# Altium PCB Audio-Beamformer_V1.0.PcbDoc (part 2 of 11) (continued)
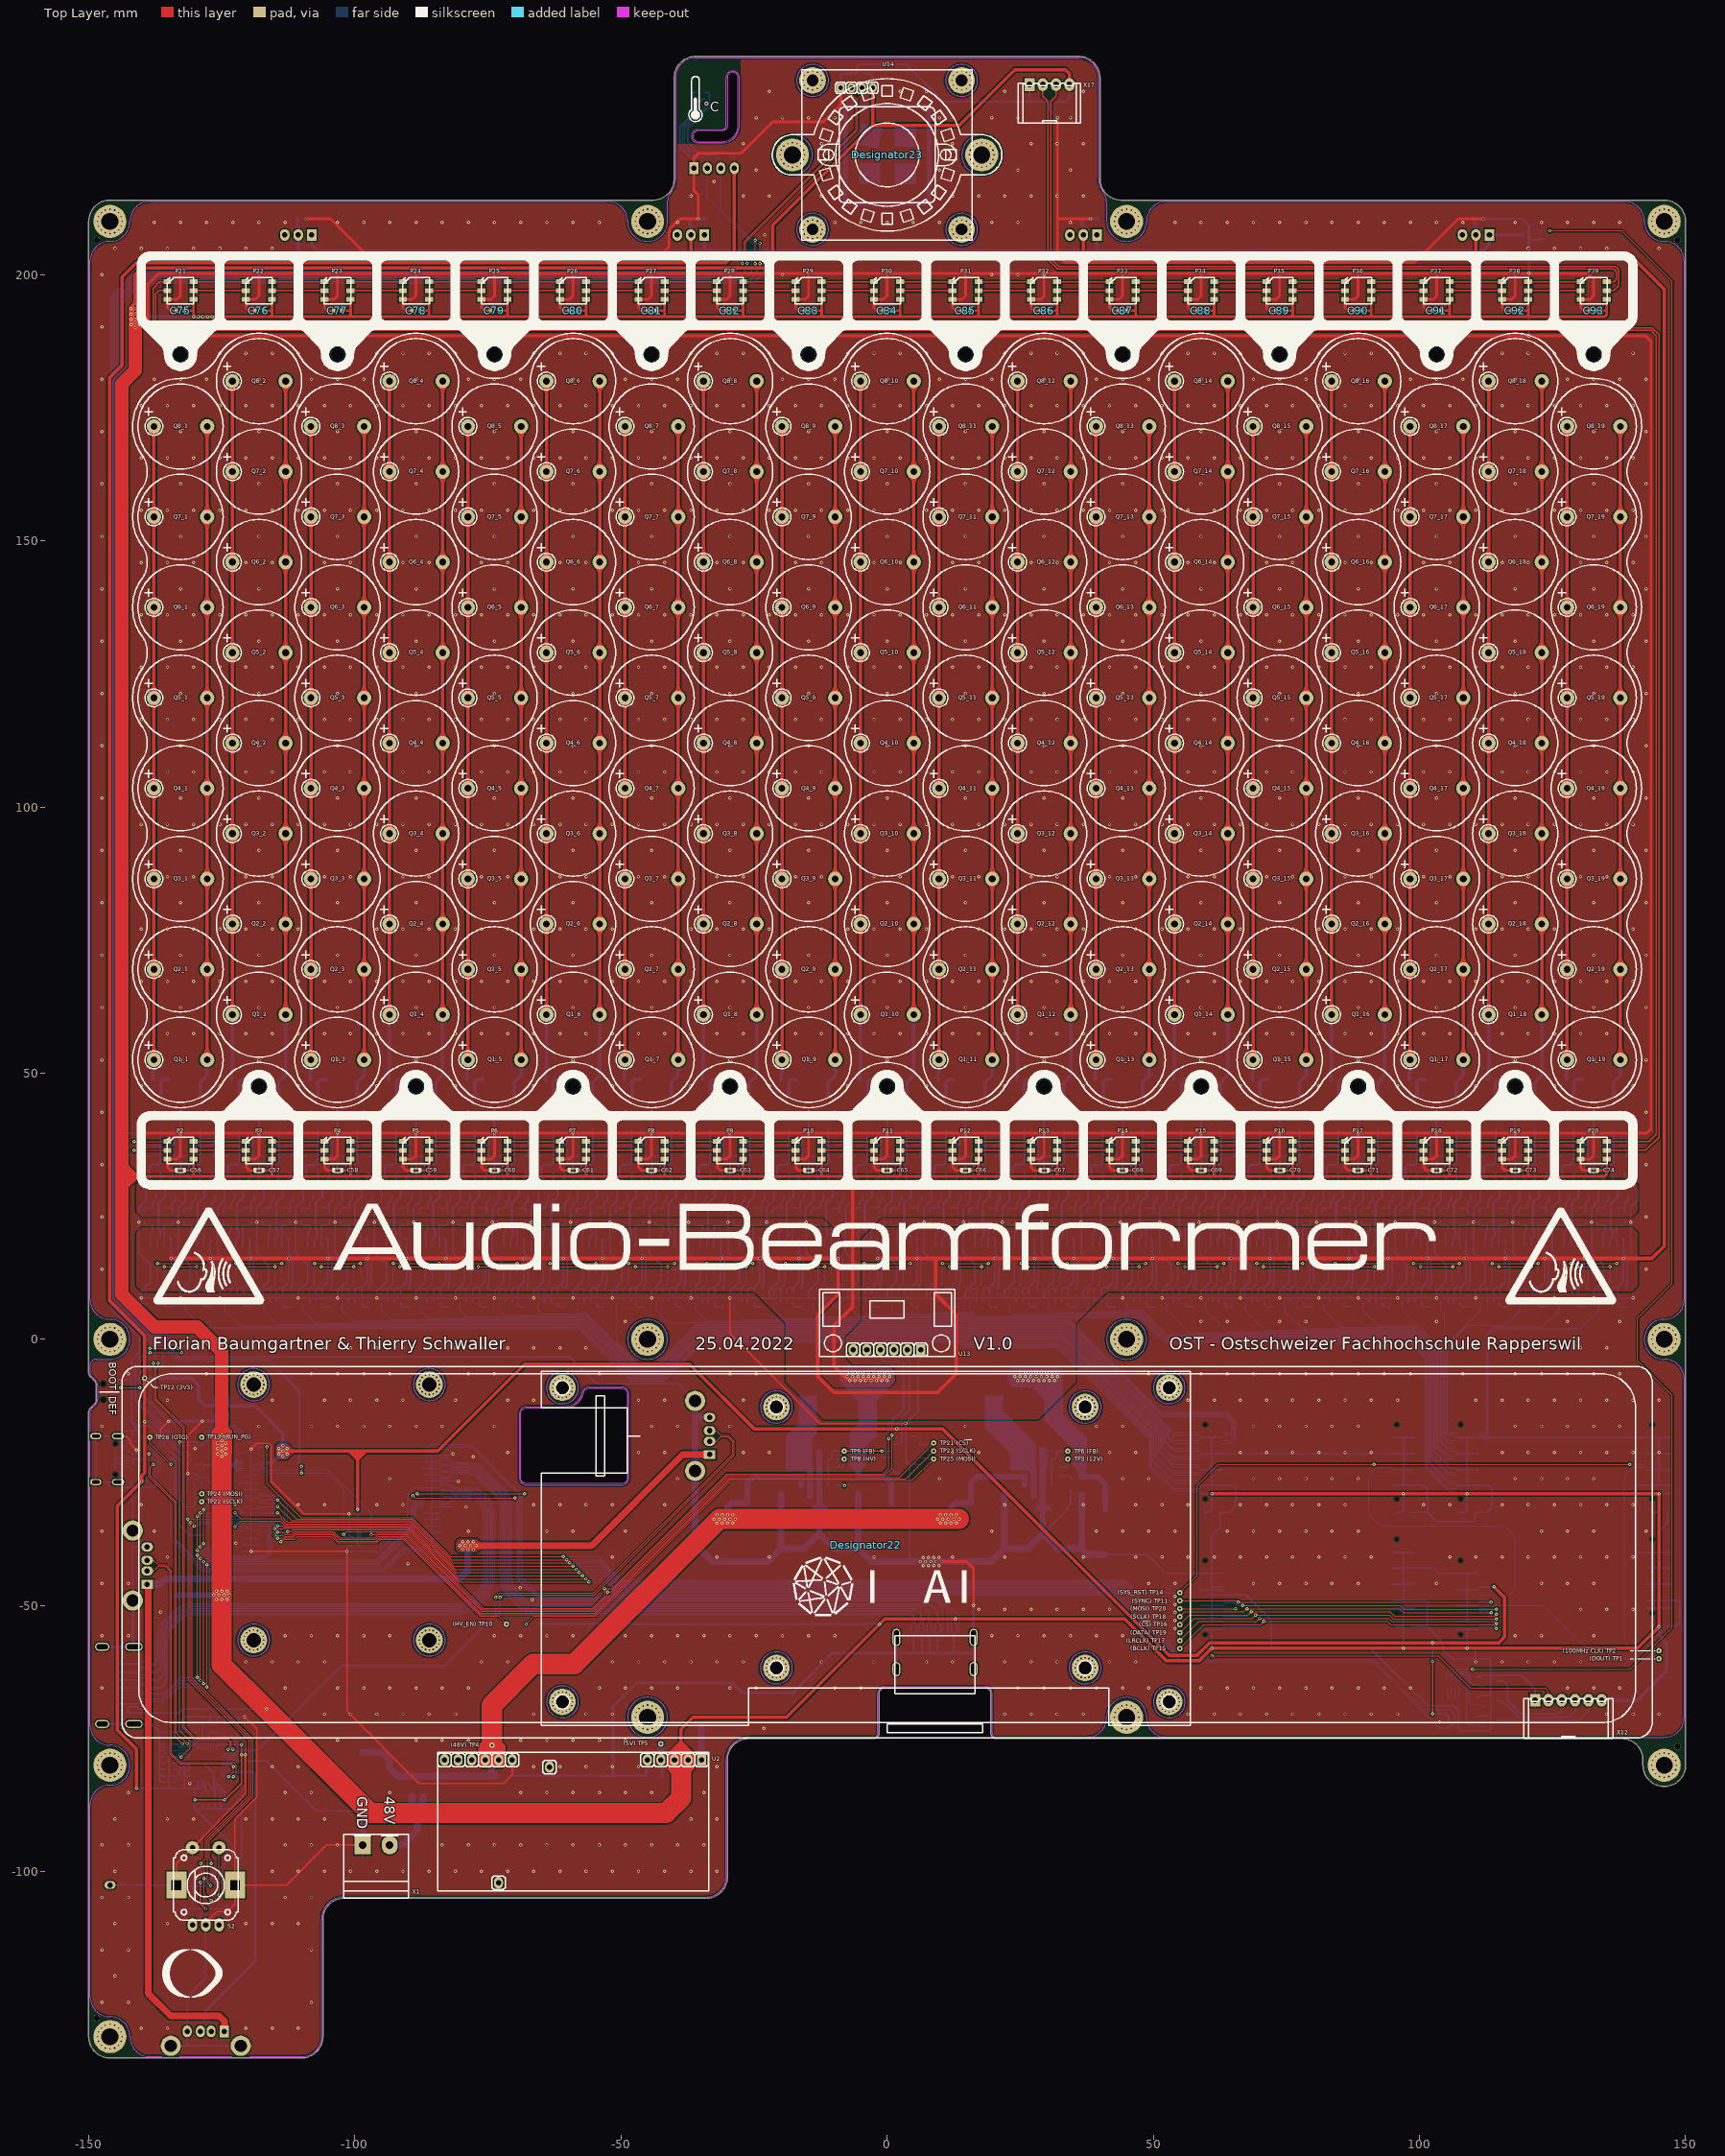
[diagram p0: Top Layer view]
## Components (designator, comment, footprint, x,y, rotation, side; value= is the part's Value field where it differs from the comment) (continued)
Q3_10 "MA40A16" "THT Transducer (MA40A16) (5mm Offset)" 0,95 r0 top (schematic designator Q3)
Q3_11 "MA40A16" "THT Transducer (MA40A16) (5mm Offset)" 14.75,86.5 r0 top (schematic designator Q3)
Q3_12 "MA40A16" "THT Transducer (MA40A16) (5mm Offset)" 29.5,95 r0 top (schematic designator Q3)
Q3_13 "MA40A16" "THT Transducer (MA40A16) (5mm Offset)" 44.25,86.5 r0 top (schematic designator Q3)
Q3_14 "MA40A16" "THT Transducer (MA40A16) (5mm Offset)" 59,95 r0 top (schematic designator Q3)
Q3_15 "MA40A16" "THT Transducer (MA40A16) (5mm Offset)" 73.75,86.5 r0 top (schematic designator Q3)
Q3_16 "MA40A16" "THT Transducer (MA40A16) (5mm Offset)" 88.5,95 r0 top (schematic designator Q3)
Q3_17 "MA40A16" "THT Transducer (MA40A16) (5mm Offset)" 103.25,86.5 r0 top (schematic designator Q3)
Q3_18 "MA40A16" "THT Transducer (MA40A16) (5mm Offset)" 118,95 r0 top (schematic designator Q3)
Q3_19 "MA40A16" "THT Transducer (MA40A16) (5mm Offset)" 132.75,86.5 r0 top (schematic designator Q3)
Q4_1 "MA40A16" "THT Transducer (MA40A16) (5mm Offset)" -132.75,103.5 r0 top (schematic designator Q4)
Q4_2 "MA40A16" "THT Transducer (MA40A16) (5mm Offset)" -118,112 r0 top (schematic designator Q4)
Q4_3 "MA40A16" "THT Transducer (MA40A16) (5mm Offset)" -103.25,103.5 r0 top (schematic designator Q4)
Q4_4 "MA40A16" "THT Transducer (MA40A16) (5mm Offset)" -88.5,112 r0 top (schematic designator Q4)
Q4_5 "MA40A16" "THT Transducer (MA40A16) (5mm Offset)" -73.75,103.5 r0 top (schematic designator Q4)
Q4_6 "MA40A16" "THT Transducer (MA40A16) (5mm Offset)" -59,112 r0 top (schematic designator Q4)
Q4_7 "MA40A16" "THT Transducer (MA40A16) (5mm Offset)" -44.25,103.5 r0 top (schematic designator Q4)
Q4_8 "MA40A16" "THT Transducer (MA40A16) (5mm Offset)" -29.5,112 r0 top (schematic designator Q4)
Q4_9 "MA40A16" "THT Transducer (MA40A16) (5mm Offset)" -14.75,103.5 r0 top (schematic designator Q4)
Q4_10 "MA40A16" "THT Transducer (MA40A16) (5mm Offset)" 0,112 r0 top (schematic designator Q4)
Q4_11 "MA40A16" "THT Transducer (MA40A16) (5mm Offset)" 14.75,103.5 r0 top (schematic designator Q4)
Q4_12 "MA40A16" "THT Transducer (MA40A16) (5mm Offset)" 29.5,112 r0 top (schematic designator Q4)
Q4_13 "MA40A16" "THT Transducer (MA40A16) (5mm Offset)" 44.25,103.5 r0 top (schematic designator Q4)
Q4_14 "MA40A16" "THT Transducer (MA40A16) (5mm Offset)" 59,112 r0 top (schematic designator Q4)
Q4_15 "MA40A16" "THT Transducer (MA40A16) (5mm Offset)" 73.75,103.5 r0 top (schematic designator Q4)
Q4_16 "MA40A16" "THT Transducer (MA40A16) (5mm Offset)" 88.5,112 r0 top (schematic designator Q4)
Q4_17 "MA40A16" "THT Transducer (MA40A16) (5mm Offset)" 103.25,103.5 r0 top (schematic designator Q4)
Q4_18 "MA40A16" "THT Transducer (MA40A16) (5mm Offset)" 118,112 r0 top (schematic designator Q4)
Q4_19 "MA40A16" "THT Transducer (MA40A16) (5mm Offset)" 132.75,103.5 r0 top (schematic designator Q4)
Q5_1 "MA40A16" "THT Transducer (MA40A16) (5mm Offset)" -132.75,120.5 r0 top (schematic designator Q5)
Q5_2 "MA40A16" "THT Transducer (MA40A16) (5mm Offset)" -118,129 r0 top (schematic designator Q5)
Q5_3 "MA40A16" "THT Transducer (MA40A16) (5mm Offset)" -103.25,120.5 r0 top (schematic designator Q5)
Q5_4 "MA40A16" "THT Transducer (MA40A16) (5mm Offset)" -88.5,129 r0 top (schematic designator Q5)
Q5_5 "MA40A16" "THT Transducer (MA40A16) (5mm Offset)" -73.75,120.5 r0 top (schematic designator Q5)
Q5_6 "MA40A16" "THT Transducer (MA40A16) (5mm Offset)" -59,129 r0 top (schematic designator Q5)
Q5_7 "MA40A16" "THT Transducer (MA40A16) (5mm Offset)" -44.25,120.5 r0 top (schematic designator Q5)
Q5_8 "MA40A16" "THT Transducer (MA40A16) (5mm Offset)" -29.5,129 r0 top (schematic designator Q5)
Q5_9 "MA40A16" "THT Transducer (MA40A16) (5mm Offset)" -14.75,120.5 r0 top (schematic designator Q5)
Q5_10 "MA40A16" "THT Transducer (MA40A16) (5mm Offset)" 0,129 r0 top (schematic designator Q5)
Q5_11 "MA40A16" "THT Transducer (MA40A16) (5mm Offset)" 14.75,120.5 r0 top (schematic designator Q5)
Q5_12 "MA40A16" "THT Transducer (MA40A16) (5mm Offset)" 29.5,129 r0 top (schematic designator Q5)
Q5_13 "MA40A16" "THT Transducer (MA40A16) (5mm Offset)" 44.25,120.5 r0 top (schematic designator Q5)
Q5_14 "MA40A16" "THT Transducer (MA40A16) (5mm Offset)" 59,129 r0 top (schematic designator Q5)
Q5_15 "MA40A16" "THT Transducer (MA40A16) (5mm Offset)" 73.75,120.5 r0 top (schematic designator Q5)
Q5_16 "MA40A16" "THT Transducer (MA40A16) (5mm Offset)" 88.5,129 r0 top (schematic designator Q5)
Q5_17 "MA40A16" "THT Transducer (MA40A16) (5mm Offset)" 103.25,120.5 r0 top (schematic designator Q5)
Q5_18 "MA40A16" "THT Transducer (MA40A16) (5mm Offset)" 118,129 r0 top (schematic designator Q5)
Q5_19 "MA40A16" "THT Transducer (MA40A16) (5mm Offset)" 132.75,120.5 r0 top (schematic designator Q5)
Q6_1 "MA40A16" "THT Transducer (MA40A16) (5mm Offset)" -132.75,137.5 r0 top (schematic designator Q6)
Q6_2 "MA40A16" "THT Transducer (MA40A16) (5mm Offset)" -118,146 r0 top (schematic designator Q6)
Q6_3 "MA40A16" "THT Transducer (MA40A16) (5mm Offset)" -103.25,137.5 r0 top (schematic designator Q6)
Q6_4 "MA40A16" "THT Transducer (MA40A16) (5mm Offset)" -88.5,146 r0 top (schematic designator Q6)
Q6_5 "MA40A16" "THT Transducer (MA40A16) (5mm Offset)" -73.75,137.5 r0 top (schematic designator Q6)
Q6_6 "MA40A16" "THT Transducer (MA40A16) (5mm Offset)" -59,146 r0 top (schematic designator Q6)
Q6_7 "MA40A16" "THT Transducer (MA40A16) (5mm Offset)" -44.25,137.5 r0 top (schematic designator Q6)
Q6_8 "MA40A16" "THT Transducer (MA40A16) (5mm Offset)" -29.5,146 r0 top (schematic designator Q6)
Q6_9 "MA40A16" "THT Transducer (MA40A16) (5mm Offset)" -14.75,137.5 r0 top (schematic designator Q6)
Q6_10 "MA40A16" "THT Transducer (MA40A16) (5mm Offset)" 0,146 r0 top (schematic designator Q6)
Q6_11 "MA40A16" "THT Transducer (MA40A16) (5mm Offset)" 14.75,137.5 r0 top (schematic designator Q6)
Q6_12 "MA40A16" "THT Transducer (MA40A16) (5mm Offset)" 29.5,146 r0 top (schematic designator Q6)
Q6_13 "MA40A16" "THT Transducer (MA40A16) (5mm Offset)" 44.25,137.5 r0 top (schematic designator Q6)
Q6_14 "MA40A16" "THT Transducer (MA40A16) (5mm Offset)" 59,146 r0 top (schematic designator Q6)
Q6_15 "MA40A16" "THT Transducer (MA40A16) (5mm Offset)" 73.75,137.5 r0 top (schematic designator Q6)
Q6_16 "MA40A16" "THT Transducer (MA40A16) (5mm Offset)" 88.5,146 r0 top (schematic designator Q6)
Q6_17 "MA40A16" "THT Transducer (MA40A16) (5mm Offset)" 103.25,137.5 r0 top (schematic designator Q6)
Q6_18 "MA40A16" "THT Transducer (MA40A16) (5mm Offset)" 118,146 r0 top (schematic designator Q6)
Q6_19 "MA40A16" "THT Transducer (MA40A16) (5mm Offset)" 132.75,137.5 r0 top (schematic designator Q6)
Q7_1 "MA40A16" "THT Transducer (MA40A16) (5mm Offset)" -132.75,154.5 r0 top (schematic designator Q7)
Q7_2 "MA40A16" "THT Transducer (MA40A16) (5mm Offset)" -118,163 r0 top (schematic designator Q7)
Q7_3 "MA40A16" "THT Transducer (MA40A16) (5mm Offset)" -103.25,154.5 r0 top (schematic designator Q7)
Q7_4 "MA40A16" "THT Transducer (MA40A16) (5mm Offset)" -88.5,163 r0 top (schematic designator Q7)
Q7_5 "MA40A16" "THT Transducer (MA40A16) (5mm Offset)" -73.75,154.5 r0 top (schematic designator Q7)
Q7_6 "MA40A16" "THT Transducer (MA40A16) (5mm Offset)" -59,163 r0 top (schematic designator Q7)
Q7_7 "MA40A16" "THT Transducer (MA40A16) (5mm Offset)" -44.25,154.5 r0 top (schematic designator Q7)
Q7_8 "MA40A16" "THT Transducer (MA40A16) (5mm Offset)" -29.5,163 r0 top (schematic designator Q7)
Q7_9 "MA40A16" "THT Transducer (MA40A16) (5mm Offset)" -14.75,154.5 r0 top (schematic designator Q7)
Q7_10 "MA40A16" "THT Transducer (MA40A16) (5mm Offset)" 0,163 r0 top (schematic designator Q7)
Q7_11 "MA40A16" "THT Transducer (MA40A16) (5mm Offset)" 14.75,154.5 r0 top (schematic designator Q7)
Q7_12 "MA40A16" "THT Transducer (MA40A16) (5mm Offset)" 29.5,163 r0 top (schematic designator Q7)
Q7_13 "MA40A16" "THT Transducer (MA40A16) (5mm Offset)" 44.25,154.5 r0 top (schematic designator Q7)
Q7_14 "MA40A16" "THT Transducer (MA40A16) (5mm Offset)" 59,163 r0 top (schematic designator Q7)
Q7_15 "MA40A16" "THT Transducer (MA40A16) (5mm Offset)" 73.75,154.5 r0 top (schematic designator Q7)
Q7_16 "MA40A16" "THT Transducer (MA40A16) (5mm Offset)" 88.5,163 r0 top (schematic designator Q7)
Q7_17 "MA40A16" "THT Transducer (MA40A16) (5mm Offset)" 103.25,154.5 r0 top (schematic designator Q7)
Q7_18 "MA40A16" "THT Transducer (MA40A16) (5mm Offset)" 118,163 r0 top (schematic designator Q7)
Q7_19 "MA40A16" "THT Transducer (MA40A16) (5mm Offset)" 132.75,154.5 r0 top (schematic designator Q7)
Q8_1 "MA40A16" "THT Transducer (MA40A16) (5mm Offset)" -132.75,171.5 r0 top (schematic designator Q8)
Q8_2 "MA40A16" "THT Transducer (MA40A16) (5mm Offset)" -118,180 r0 top (schematic designator Q8)
Q8_3 "MA40A16" "THT Transducer (MA40A16) (5mm Offset)" -103.25,171.5 r0 top (schematic designator Q8)
Q8_4 "MA40A16" "THT Transducer (MA40A16) (5mm Offset)" -88.5,180 r0 top (schematic designator Q8)
Q8_5 "MA40A16" "THT Transducer (MA40A16) (5mm Offset)" -73.75,171.5 r0 top (schematic designator Q8)
Q8_6 "MA40A16" "THT Transducer (MA40A16) (5mm Offset)" -59,180 r0 top (schematic designator Q8)
Q8_7 "MA40A16" "THT Transducer (MA40A16) (5mm Offset)" -44.25,171.5 r0 top (schematic designator Q8)
Q8_8 "MA40A16" "THT Transducer (MA40A16) (5mm Offset)" -29.5,180 r0 top (schematic designator Q8)
Q8_9 "MA40A16" "THT Transducer (MA40A16) (5mm Offset)" -14.75,171.5 r0 top (schematic designator Q8)
Q8_10 "MA40A16" "THT Transducer (MA40A16) (5mm Offset)" 0,180 r0 top (schematic designator Q8)
Q8_11 "MA40A16" "THT Transducer (MA40A16) (5mm Offset)" 14.75,171.5 r0 top (schematic designator Q8)
Q8_12 "MA40A16" "THT Transducer (MA40A16) (5mm Offset)" 29.5,180 r0 top (schematic designator Q8)
Q8_13 "MA40A16" "THT Transducer (MA40A16) (5mm Offset)" 44.25,171.5 r0 top (schematic designator Q8)
Q8_14 "MA40A16" "THT Transducer (MA40A16) (5mm Offset)" 59,180 r0 top (schematic designator Q8)
Q8_15 "MA40A16" "THT Transducer (MA40A16) (5mm Offset)" 73.75,171.5 r0 top (schematic designator Q8)
Q8_16 "MA40A16" "THT Transducer (MA40A16) (5mm Offset)" 88.5,180 r0 top (schematic designator Q8)
Q8_17 "MA40A16" "THT Transducer (MA40A16) (5mm Offset)" 103.25,171.5 r0 top (schematic designator Q8)
Q8_18 "MA40A16" "THT Transducer (MA40A16) (5mm Offset)" 118,180 r0 top (schematic designator Q8)
Q8_19 "MA40A16" "THT Transducer (MA40A16) (5mm Offset)" 132.75,171.5 r0 top (schematic designator Q8)
Q9 "24MHz" "SMD CRYSTAL 3.2X2.5X0.8" -128.45,-73 r180 bottom
R1 "10" "SMD Widerstand 0603" 114.5,-48 r0 bottom
R2 "13k" "SMD Widerstand 0603" 31.7,-22.5 r0 bottom
R3 "10k" "SMD Widerstand 0603" 34.5,-27.35 r90 bottom
R4 "1.5k" "SMD Widerstand 0603" 31.7,-21 r180 bottom
R5 "100k" "SMD Widerstand 0603" -10.3,-22.5 r0 bottom
R6 "10k" "SMD Widerstand 0603" 3.5,-18.1 r180 bottom
R7 "100k" "SMD Widerstand 0603" -66.1,-53.5 r0 bottom
R8 "3.0k" "SMD Widerstand 0603" 3.5,-25.1 r0 bottom
R9 "10k" "SMD Widerstand 0603" -69.5,-53.5 r180 bottom
R10 "270" "SMD Widerstand 0603" -125.1,-36.8 r0 bottom
R11_1 "10" "SMD Widerstand 0603" -128.25,7.75 r90 bottom (schematic designator R11)
R11_2 "10" "SMD Widerstand 0603" -113.5,7.75 r90 bottom (schematic designator R11)
R11_3 "10" "SMD Widerstand 0603" -98.75,7.75 r90 bottom (schematic designator R11)
R11_4 "10" "SMD Widerstand 0603" -84,7.75 r90 bottom (schematic designator R11)
R11_5 "10" "SMD Widerstand 0603" -69.25,7.75 r90 bottom (schematic designator R11)
R11_6 "10" "SMD Widerstand 0603" -54.5,7.75 r90 bottom (schematic designator R11)
R11_7 "10" "SMD Widerstand 0603" -39.75,7.75 r90 bottom (schematic designator R11)
R11_8 "10" "SMD Widerstand 0603" -25,7.75 r90 bottom (schematic designator R11)
R11_9 "10" "SMD Widerstand 0603" -10.25,7.75 r90 bottom (schematic designator R11)
R11_10 "10" "SMD Widerstand 0603" 4.5,7.75 r90 bottom (schematic designator R11)
R11_11 "10" "SMD Widerstand 0603" 19.25,7.75 r90 bottom (schematic designator R11)
R11_12 "10" "SMD Widerstand 0603" 34,7.75 r90 bottom (schematic designator R11)
R11_13 "10" "SMD Widerstand 0603" 48.75,7.75 r90 bottom (schematic designator R11)
R11_14 "10" "SMD Widerstand 0603" 63.5,7.75 r90 bottom (schematic designator R11)
R11_15 "10" "SMD Widerstand 0603" 78.25,7.75 r90 bottom (schematic designator R11)
R11_16 "10" "SMD Widerstand 0603" 93,7.75 r90 bottom (schematic designator R11)
R11_17 "10" "SMD Widerstand 0603" 107.75,7.75 r90 bottom (schematic designator R11)
R11_18 "10" "SMD Widerstand 0603" 122.5,7.75 r90 bottom (schematic designator R11)
R11_19 "10" "SMD Widerstand 0603" 137.25,7.75 r90 bottom (schematic designator R11)
R12_1 "270" "SMD Widerstand 0603" -139.225,7.75 r90 bottom (schematic designator R12)
R12_2 "270" "SMD Widerstand 0603" -124.475,7.75 r90 bottom (schematic designator R12)
R12_3 "270" "SMD Widerstand 0603" -109.725,7.75 r90 bottom (schematic designator R12)
R12_4 "270" "SMD Widerstand 0603" -94.975,7.75 r90 bottom (schematic designator R12)
R12_5 "270" "SMD Widerstand 0603" -80.225,7.75 r90 bottom (schematic designator R12)
R12_6 "270" "SMD Widerstand 0603" -65.475,7.75 r90 bottom (schematic designator R12)
R12_7 "270" "SMD Widerstand 0603" -50.725,7.75 r90 bottom (schematic designator R12)
R12_8 "270" "SMD Widerstand 0603" -35.975,7.75 r90 bottom (schematic designator R12)
R12_9 "270" "SMD Widerstand 0603" -21.225,7.75 r90 bottom (schematic designator R12)
R12_10 "270" "SMD Widerstand 0603" -6.475,7.75 r90 bottom (schematic designator R12)
R12_11 "270" "SMD Widerstand 0603" 8.275,7.75 r90 bottom (schematic designator R12)
R12_12 "270" "SMD Widerstand 0603" 23.025,7.75 r90 bottom (schematic designator R12)
R12_13 "270" "SMD Widerstand 0603" 37.775,7.75 r90 bottom (schematic designator R12)
R12_14 "270" "SMD Widerstand 0603" 52.525,7.75 r90 bottom (schematic designator R12)
R12_15 "270" "SMD Widerstand 0603" 67.275,7.75 r90 bottom (schematic designator R12)
R12_16 "270" "SMD Widerstand 0603" 82.025,7.75 r90 bottom (schematic designator R12)
R12_17 "270" "SMD Widerstand 0603" 96.775,7.75 r90 bottom (schematic designator R12)
R12_18 "270" "SMD Widerstand 0603" 111.525,7.75 r90 bottom (schematic designator R12)
R12_19 "270" "SMD Widerstand 0603" 126.275,7.75 r90 bottom (schematic designator R12)
R13_1 "10" "SMD Widerstand 0603" -126.9,23 r270 bottom (schematic designator R13)
R13_2 "10" "SMD Widerstand 0603" -112.15,23 r270 bottom (schematic designator R13)
R13_3 "10" "SMD Widerstand 0603" -97.4,23 r270 bottom (schematic designator R13)
R13_4 "10" "SMD Widerstand 0603" -82.65,23 r270 bottom (schematic designator R13)
R13_5 "10" "SMD Widerstand 0603" -67.9,23 r270 bottom (schematic designator R13)
R13_6 "10" "SMD Widerstand 0603" -53.15,23 r270 bottom (schematic designator R13)
R13_7 "10" "SMD Widerstand 0603" -38.4,23 r270 bottom (schematic designator R13)
R13_8 "10" "SMD Widerstand 0603" -23.65,23 r270 bottom (schematic designator R13)
R13_9 "10" "SMD Widerstand 0603" -8.9,23 r270 bottom (schematic designator R13)
R13_10 "10" "SMD Widerstand 0603" 5.85,23 r270 bottom (schematic designator R13)
R13_11 "10" "SMD Widerstand 0603" 20.6,23 r270 bottom (schematic designator R13)
R13_12 "10" "SMD Widerstand 0603" 35.35,23 r270 bottom (schematic designator R13)
R13_13 "10" "SMD Widerstand 0603" 50.1,23 r270 bottom (schematic designator R13)
R13_14 "10" "SMD Widerstand 0603" 64.85,23 r270 bottom (schematic designator R13)
R13_15 "10" "SMD Widerstand 0603" 79.6,23 r270 bottom (schematic designator R13)
R13_16 "10" "SMD Widerstand 0603" 94.35,23 r270 bottom (schematic designator R13)
R13_17 "10" "SMD Widerstand 0603" 109.1,23 r270 bottom (schematic designator R13)
R13_18 "10" "SMD Widerstand 0603" 123.85,23 r270 bottom (schematic designator R13)
R13_19 "10" "SMD Widerstand 0603" 138.6,23 r270 bottom (schematic designator R13)
R14_1 "270" "SMD Widerstand 0603" -131.85,7.75 r90 bottom (schematic designator R14)
R14_2 "270" "SMD Widerstand 0603" -117.1,7.75 r90 bottom (schematic designator R14)
R14_3 "270" "SMD Widerstand 0603" -102.35,7.75 r90 bottom (schematic designator R14)
R14_4 "270" "SMD Widerstand 0603" -87.6,7.75 r90 bottom (schematic designator R14)
R14_5 "270" "SMD Widerstand 0603" -72.85,7.75 r90 bottom (schematic designator R14)
R14_6 "270" "SMD Widerstand 0603" -58.1,7.75 r90 bottom (schematic designator R14)
R14_7 "270" "SMD Widerstand 0603" -43.35,7.75 r90 bottom (schematic designator R14)
R14_8 "270" "SMD Widerstand 0603" -28.6,7.75 r90 bottom (schematic designator R14)
R14_9 "270" "SMD Widerstand 0603" -13.85,7.75 r90 bottom (schematic designator R14)
R14_10 "270" "SMD Widerstand 0603" 0.9,7.75 r90 bottom (schematic designator R14)
R14_11 "270" "SMD Widerstand 0603" 15.65,7.75 r90 bottom (schematic designator R14)
R14_12 "270" "SMD Widerstand 0603" 30.4,7.75 r90 bottom (schematic designator R14)
R14_13 "270" "SMD Widerstand 0603" 45.15,7.75 r90 bottom (schematic designator R14)
R14_14 "270" "SMD Widerstand 0603" 59.9,7.75 r90 bottom (schematic designator R14)
R14_15 "270" "SMD Widerstand 0603" 74.65,7.75 r90 bottom (schematic designator R14)
R14_16 "270" "SMD Widerstand 0603" 89.4,7.75 r90 bottom (schematic designator R14)
R14_17 "270" "SMD Widerstand 0603" 104.15,7.75 r90 bottom (schematic designator R14)
R14_18 "270" "SMD Widerstand 0603" 118.9,7.75 r90 bottom (schematic designator R14)
R14_19 "270" "SMD Widerstand 0603" 133.65,7.75 r90 bottom (schematic designator R14)
R15_1 "10" "SMD Widerstand 1206" -129.431,36.5 r180 bottom (schematic designator R15)
R15_2 "10" "SMD Widerstand 1206" -114.681,36.5 r180 bottom (schematic designator R15)
R15_3 "10" "SMD Widerstand 1206" -99.931,36.5 r180 bottom (schematic designator R15)
R15_4 "10" "SMD Widerstand 1206" -85.181,36.5 r180 bottom (schematic designator R15)
R15_5 "10" "SMD Widerstand 1206" -70.431,36.5 r180 bottom (schematic designator R15)
R15_6 "10" "SMD Widerstand 1206" -55.681,36.5 r180 bottom (schematic designator R15)
R15_7 "10" "SMD Widerstand 1206" -40.931,36.5 r180 bottom (schematic designator R15)
R15_8 "10" "SMD Widerstand 1206" -26.181,36.5 r180 bottom (schematic designator R15)
R15_9 "10" "SMD Widerstand 1206" -11.431,36.5 r180 bottom (schematic designator R15)
R15_10 "10" "SMD Widerstand 1206" 3.319,36.5 r180 bottom (schematic designator R15)
R15_11 "10" "SMD Widerstand 1206" 18.069,36.5 r180 bottom (schematic designator R15)
R15_12 "10" "SMD Widerstand 1206" 32.819,36.5 r180 bottom (schematic designator R15)
R15_13 "10" "SMD Widerstand 1206" 47.569,36.5 r180 bottom (schematic designator R15)
R15_14 "10" "SMD Widerstand 1206" 62.319,36.5 r180 bottom (schematic designator R15)
R15_15 "10" "SMD Widerstand 1206" 77.069,36.5 r180 bottom (schematic designator R15)
R15_16 "10" "SMD Widerstand 1206" 91.819,36.5 r180 bottom (schematic designator R15)
R15_17 "10" "SMD Widerstand 1206" 106.569,36.5 r180 bottom (schematic designator R15)
R15_18 "10" "SMD Widerstand 1206" 121.319,36.5 r180 bottom (schematic designator R15)
R15_19 "10" "SMD Widerstand 1206" 136.069,36.5 r180 bottom (schematic designator R15)
R16_1 "10" "SMD Widerstand 0603" -132.1,23 r270 bottom (schematic designator R16)
R16_2 "10" "SMD Widerstand 0603" -117.35,23 r270 bottom (schematic designator R16)
R16_3 "10" "SMD Widerstand 0603" -102.6,23 r270 bottom (schematic designator R16)
R16_4 "10" "SMD Widerstand 0603" -87.85,23 r270 bottom (schematic designator R16)
R16_5 "10" "SMD Widerstand 0603" -73.1,23 r270 bottom (schematic designator R16)
R16_6 "10" "SMD Widerstand 0603" -58.35,23 r270 bottom (schematic designator R16)
R16_7 "10" "SMD Widerstand 0603" -43.6,23 r270 bottom (schematic designator R16)
R16_8 "10" "SMD Widerstand 0603" -28.85,23 r270 bottom (schematic designator R16)
R16_9 "10" "SMD Widerstand 0603" -14.1,23 r270 bottom (schematic designator R16)
R16_10 "10" "SMD Widerstand 0603" 0.65,23 r270 bottom (schematic designator R16)
R16_11 "10" "SMD Widerstand 0603" 15.4,23 r270 bottom (schematic designator R16)
R16_12 "10" "SMD Widerstand 0603" 30.15,23 r270 bottom (schematic designator R16)
R16_13 "10" "SMD Widerstand 0603" 44.9,23 r270 bottom (schematic designator R16)
R16_14 "10" "SMD Widerstand 0603" 59.65,23 r270 bottom (schematic designator R16)
R16_15 "10" "SMD Widerstand 0603" 74.4,23 r270 bottom (schematic designator R16)
R16_16 "10" "SMD Widerstand 0603" 89.15,23 r270 bottom (schematic designator R16)
R16_17 "10" "SMD Widerstand 0603" 103.9,23 r270 bottom (schematic designator R16)
R16_18 "10" "SMD Widerstand 0603" 118.65,23 r270 bottom (schematic designator R16)
R16_19 "10" "SMD Widerstand 0603" 133.4,23 r270 bottom (schematic designator R16)
R17_1 "10" "SMD Widerstand 0603" -135.625,7.75 r90 bottom (schematic designator R17)
R17_2 "10" "SMD Widerstand 0603" -120.875,7.75 r90 bottom (schematic designator R17)
R17_3 "10" "SMD Widerstand 0603" -106.125,7.75 r90 bottom (schematic designator R17)
R17_4 "10" "SMD Widerstand 0603" -91.375,7.75 r90 bottom (schematic designator R17)
R17_5 "10" "SMD Widerstand 0603" -76.625,7.75 r90 bottom (schematic designator R17)
R17_6 "10" "SMD Widerstand 0603" -61.875,7.75 r90 bottom (schematic designator R17)
R17_7 "10" "SMD Widerstand 0603" -47.125,7.75 r90 bottom (schematic designator R17)
R17_8 "10" "SMD Widerstand 0603" -32.375,7.75 r90 bottom (schematic designator R17)
R17_9 "10" "SMD Widerstand 0603" -17.625,7.75 r90 bottom (schematic designator R17)
R17_10 "10" "SMD Widerstand 0603" -2.875,7.75 r90 bottom (schematic designator R17)
R17_11 "10" "SMD Widerstand 0603" 11.875,7.75 r90 bottom (schematic designator R17)
R17_12 "10" "SMD Widerstand 0603" 26.625,7.75 r90 bottom (schematic designator R17)
R17_13 "10" "SMD Widerstand 0603" 41.375,7.75 r90 bottom (schematic designator R17)
R17_14 "10" "SMD Widerstand 0603" 56.125,7.75 r90 bottom (schematic designator R17)
R17_15 "10" "SMD Widerstand 0603" 70.875,7.75 r90 bottom (schematic designator R17)
R17_16 "10" "SMD Widerstand 0603" 85.625,7.75 r90 bottom (schematic designator R17)
R17_17 "10" "SMD Widerstand 0603" 100.375,7.75 r90 bottom (schematic designator R17)
R17_18 "10" "SMD Widerstand 0603" 115.125,7.75 r90 bottom (schematic designator R17)
R17_19 "10" "SMD Widerstand 0603" 129.875,7.75 r90 bottom (schematic designator R17)
R18_1 "0" "SMD Widerstand 1206" -136.437,48.75 r180 bottom (schematic designator R18)
R18_2 "0" "SMD Widerstand 1206" -121.687,48.75 r180 bottom (schematic designator R18)
R18_3 "0" "SMD Widerstand 1206" -106.938,48.75 r180 bottom (schematic designator R18)
R18_4 "0" "SMD Widerstand 1206" -92.187,48.75 r180 bottom (schematic designator R18)
R18_5 "0" "SMD Widerstand 1206" -77.437,48.75 r180 bottom (schematic designator R18)
R18_6 "0" "SMD Widerstand 1206" -62.687,48.75 r180 bottom (schematic designator R18)
R18_7 "0" "SMD Widerstand 1206" -47.937,48.75 r180 bottom (schematic designator R18)
R18_8 "0" "SMD Widerstand 1206" -33.188,48.75 r180 bottom (schematic designator R18)
R18_9 "0" "SMD Widerstand 1206" -18.437,48.75 r180 bottom (schematic designator R18)
R18_10 "0" "SMD Widerstand 1206" -3.687,48.75 r180 bottom (schematic designator R18)
R18_11 "0" "SMD Widerstand 1206" 11.063,48.75 r180 bottom (schematic designator R18)
R18_12 "0" "SMD Widerstand 1206" 25.813,48.75 r180 bottom (schematic designator R18)
R18_13 "0" "SMD Widerstand 1206" 40.563,48.75 r180 bottom (schematic designator R18)
R18_14 "0" "SMD Widerstand 1206" 55.313,48.75 r180 bottom (schematic designator R18)
R18_15 "0" "SMD Widerstand 1206" 70.063,48.75 r180 bottom (schematic designator R18)
R18_16 "0" "SMD Widerstand 1206" 84.813,48.75 r180 bottom (schematic designator R18)
R18_17 "0" "SMD Widerstand 1206" 99.563,48.75 r180 bottom (schematic designator R18)
R18_18 "0" "SMD Widerstand 1206" 114.313,48.75 r180 bottom (schematic designator R18)
R18_19 "0" "SMD Widerstand 1206" 129.063,48.75 r180 bottom (schematic designator R18)
R19_1 "10" "SMD Widerstand 0603" -134.275,23 r270 bottom (schematic designator R19)
R19_2 "10" "SMD Widerstand 0603" -119.525,23 r270 bottom (schematic designator R19)
R19_3 "10" "SMD Widerstand 0603" -104.775,23 r270 bottom (schematic designator R19)
R19_4 "10" "SMD Widerstand 0603" -90.025,23 r270 bottom (schematic designator R19)
R19_5 "10" "SMD Widerstand 0603" -75.275,23 r270 bottom (schematic designator R19)
R19_6 "10" "SMD Widerstand 0603" -60.525,23 r270 bottom (schematic designator R19)
R19_7 "10" "SMD Widerstand 0603" -45.775,23 r270 bottom (schematic designator R19)
R19_8 "10" "SMD Widerstand 0603" -31.025,23 r270 bottom (schematic designator R19)
R19_9 "10" "SMD Widerstand 0603" -16.275,23 r270 bottom (schematic designator R19)
R19_10 "10" "SMD Widerstand 0603" -1.525,23 r270 bottom (schematic designator R19)
R19_11 "10" "SMD Widerstand 0603" 13.225,23 r270 bottom (schematic designator R19)
R19_12 "10" "SMD Widerstand 0603" 27.975,23 r270 bottom (schematic designator R19)
R19_13 "10" "SMD Widerstand 0603" 42.725,23 r270 bottom (schematic designator R19)
R19_14 "10" "SMD Widerstand 0603" 57.475,23 r270 bottom (schematic designator R19)
R19_15 "10" "SMD Widerstand 0603" 72.225,23 r270 bottom (schematic designator R19)
R19_16 "10" "SMD Widerstand 0603" 86.975,23 r270 bottom (schematic designator R19)
R19_17 "10" "SMD Widerstand 0603" 101.725,23 r270 bottom (schematic designator R19)
R19_18 "10" "SMD Widerstand 0603" 116.475,23 r270 bottom (schematic designator R19)
R19_19 "10" "SMD Widerstand 0603" 131.225,23 r270 bottom (schematic designator R19)
R20_1 "10" "SMD Widerstand 1206" -136.806,36.5 r180 bottom (schematic designator R20)
R20_2 "10" "SMD Widerstand 1206" -122.056,36.5 r180 bottom (schematic designator R20)
R20_3 "10" "SMD Widerstand 1206" -107.306,36.5 r180 bottom (schematic designator R20)
R20_4 "10" "SMD Widerstand 1206" -92.556,36.5 r180 bottom (schematic designator R20)
R20_5 "10" "SMD Widerstand 1206" -77.806,36.5 r180 bottom (schematic designator R20)
R20_6 "10" "SMD Widerstand 1206" -63.056,36.5 r180 bottom (schematic designator R20)
R20_7 "10" "SMD Widerstand 1206" -48.306,36.5 r180 bottom (schematic designator R20)
R20_8 "10" "SMD Widerstand 1206" -33.556,36.5 r180 bottom (schematic designator R20)
R20_9 "10" "SMD Widerstand 1206" -18.806,36.5 r180 bottom (schematic designator R20)
R20_10 "10" "SMD Widerstand 1206" -4.056,36.5 r180 bottom (schematic designator R20)
R20_11 "10" "SMD Widerstand 1206" 10.694,36.5 r180 bottom (schematic designator R20)
R20_12 "10" "SMD Widerstand 1206" 25.444,36.5 r180 bottom (schematic designator R20)
R20_13 "10" "SMD Widerstand 1206" 40.194,36.5 r180 bottom (schematic designator R20)
R20_14 "10" "SMD Widerstand 1206" 54.944,36.5 r180 bottom (schematic designator R20)
R20_15 "10" "SMD Widerstand 1206" 69.694,36.5 r180 bottom (schematic designator R20)
R20_16 "10" "SMD Widerstand 1206" 84.444,36.5 r180 bottom (schematic designator R20)
R20_17 "10" "SMD Widerstand 1206" 99.194,36.5 r180 bottom (schematic designator R20)
R20_18 "10" "SMD Widerstand 1206" 113.944,36.5 r180 bottom (schematic designator R20)
R20_19 "10" "SMD Widerstand 1206" 128.694,36.5 r180 bottom (schematic designator R20)
R21_1 "10k" "SMD Widerstand 0603" -130.65,7.75 r90 bottom (schematic designator R21)
R21_2 "10k" "SMD Widerstand 0603" -115.9,7.75 r90 bottom (schematic designator R21)
R21_3 "10k" "SMD Widerstand 0603" -101.15,7.75 r90 bottom (schematic designator R21)
R21_4 "10k" "SMD Widerstand 0603" -86.4,7.75 r90 bottom (schematic designator R21)
R21_5 "10k" "SMD Widerstand 0603" -71.65,7.75 r90 bottom (schematic designator R21)
R21_6 "10k" "SMD Widerstand 0603" -56.9,7.75 r90 bottom (schematic designator R21)
R21_7 "10k" "SMD Widerstand 0603" -42.15,7.75 r90 bottom (schematic designator R21)
R21_8 "10k" "SMD Widerstand 0603" -27.4,7.75 r90 bottom (schematic designator R21)
R21_9 "10k" "SMD Widerstand 0603" -12.65,7.75 r90 bottom (schematic designator R21)
R21_10 "10k" "SMD Widerstand 0603" 2.1,7.75 r90 bottom (schematic designator R21)
R21_11 "10k" "SMD Widerstand 0603" 16.85,7.75 r90 bottom (schematic designator R21)
R21_12 "10k" "SMD Widerstand 0603" 31.6,7.75 r90 bottom (schematic designator R21)
R21_13 "10k" "SMD Widerstand 0603" 46.35,7.75 r90 bottom (schematic designator R21)
R21_14 "10k" "SMD Widerstand 0603" 61.1,7.75 r90 bottom (schematic designator R21)
R21_15 "10k" "SMD Widerstand 0603" 75.85,7.75 r90 bottom (schematic designator R21)
R21_16 "10k" "SMD Widerstand 0603" 90.6,7.75 r90 bottom (schematic designator R21)
R21_17 "10k" "SMD Widerstand 0603" 105.35,7.75 r90 bottom (schematic designator R21)
R21_18 "10k" "SMD Widerstand 0603" 120.1,7.75 r90 bottom (schematic designator R21)
R21_19 "10k" "SMD Widerstand 0603" 134.85,7.75 r90 bottom (schematic designator R21)
R22_1 "10k" "SMD Widerstand 0603" -138.025,7.75 r90 bottom (schematic designator R22)
R22_2 "10k" "SMD Widerstand 0603" -123.275,7.75 r90 bottom (schematic designator R22)
R22_3 "10k" "SMD Widerstand 0603" -108.525,7.75 r90 bottom (schematic designator R22)
R22_4 "10k" "SMD Widerstand 0603" -93.775,7.75 r90 bottom (schematic designator R22)